# KiCad board scanhead_pcb.kicad_pcb (continued)
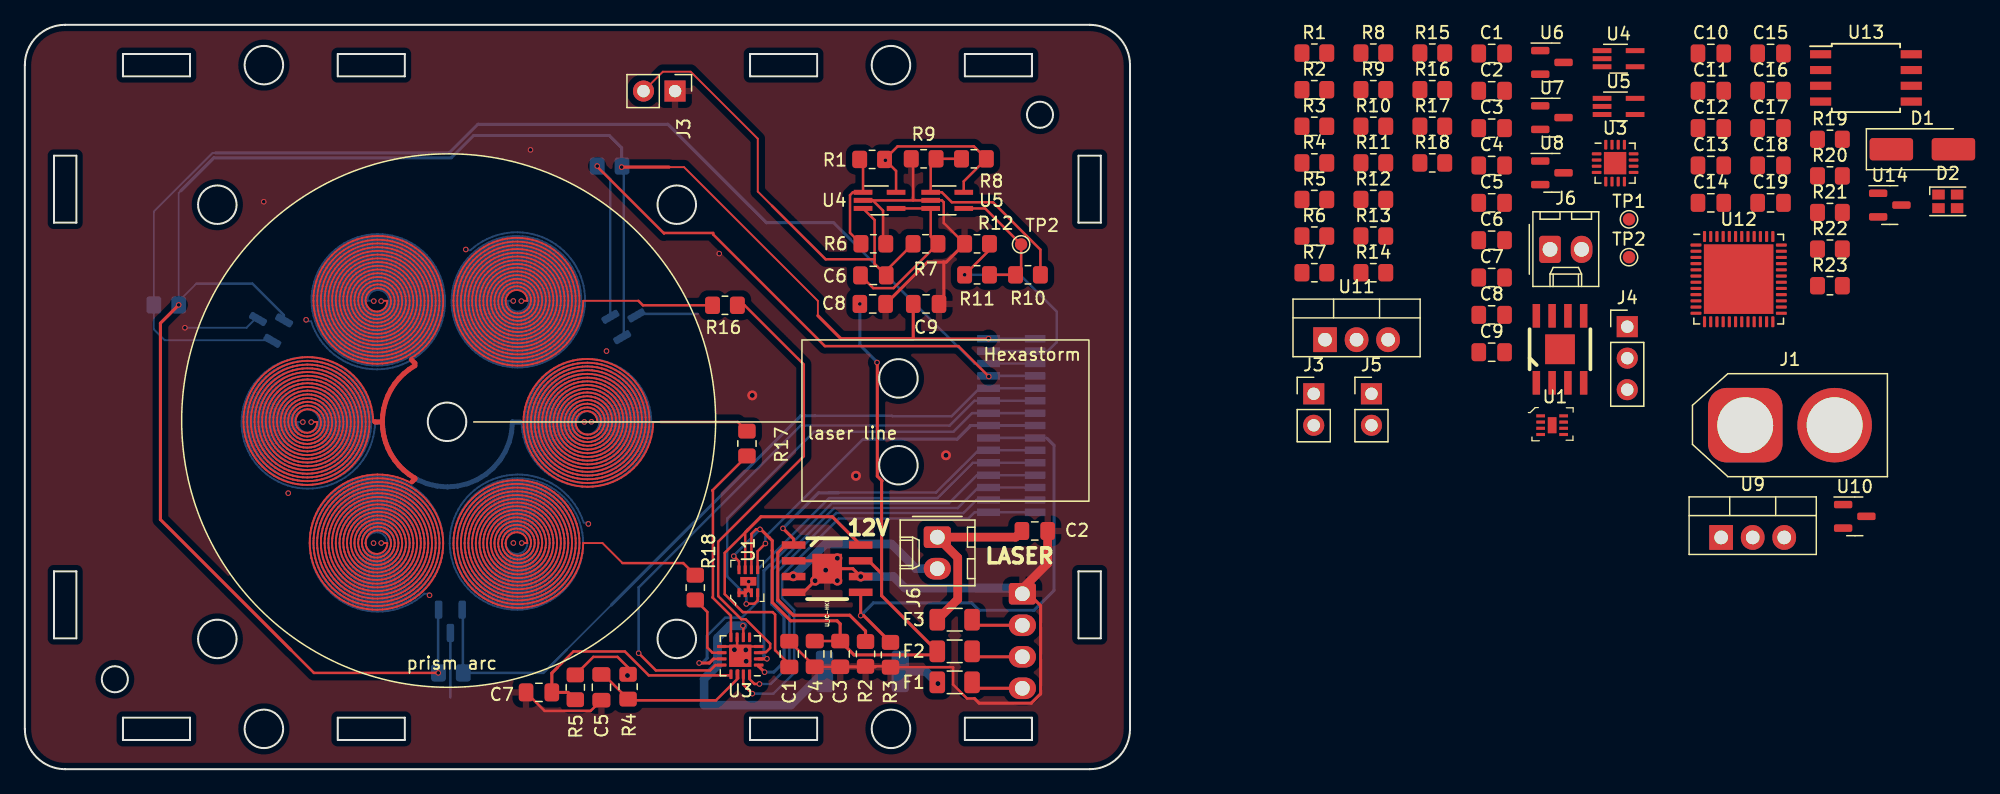
[diagram p0: board, top side]
## Routing (per net, layer and track width the routed paths; a pad name or vN(x,y) marks a point on that pad's centre or on a via; arc(x,y) is an arc through that point) (continued)
23.93,23.07 24.32,23.18 24.69,23.32 25.05,23.49 25.39,23.68 25.72,23.91 26.03,24.16 26.31,24.43 26.58,24.72 26.82,25.03 27.04,25.36 27.23,25.71 27.39,26.07 27.52,26.44 27.62,26.82 27.7,27.21 27.74,27.6 27.75,27.99 27.73,28.4 27.68,28.81 27.59,29.21 27.47,29.61 27.31,29.99 27.13,30.36 26.91,30.71 26.67,31.04 26.4,31.35 26.11,31.64 25.8,31.9 25.46,32.14 25.11,32.34 24.74,32.52 24.36,32.66 23.96,32.78 23.56,32.85 23.16,32.9 22.75,32.91 22.35,32.89 21.94,32.84 21.55,32.75 21.16,32.63 20.78,32.48 20.42,32.3 20.07,32.09 19.75,31.85 19.44,31.59 19.16,31.3 18.9,30.99 18.67,30.66 18.47,30.31 18.29,29.95 18.15,29.57 18.04,29.18 17.96,28.79 17.91,28.39 17.9,27.99 17.92,27.59 17.98,27.19 18.06,26.8 18.18,26.42 18.33,26.05 18.51,25.69 18.71,25.35 18.95,25.03 19.21,24.73 19.49,24.45 19.8,24.2 20.13,23.97 20.47,23.77 20.83,23.6 21.2,23.46 21.58,23.35 21.96,23.27 22.36,23.23 22.75,23.21 23.15,23.23 23.54,23.29 23.92,23.37 24.3,23.49 24.66,23.63 25.01,23.81 25.35,24.01 25.67,24.25 25.96,24.5 26.24,24.78 26.49,25.08 26.71,25.4 26.91,25.74 27.07,26.09 27.21,26.46 27.32,26.83 27.4,27.21 27.44,27.6 27.45,27.99 27.43,28.4 27.37,28.8 27.28,29.2 27.15,29.59 26.99,29.97 26.8,30.33 26.58,30.67 26.33,30.99 26.05,31.29 25.75,31.56 25.42,31.8 25.08,32.02 24.72,32.2 24.34,32.35 23.95,32.47 23.56,32.55 23.16,32.6 22.75,32.61 22.35,32.59 21.95,32.54 21.56,32.44 21.18,32.32 20.81,32.16 20.45,31.97 20.12,31.75 19.8,31.51 19.51,31.23 19.24,30.94 19,30.62 18.79,30.28 18.61,29.92 18.46,29.55 18.34,29.17 18.26,28.78 18.22,28.39 18.2,27.99 18.22,27.59 18.28,27.2 18.37,26.81 18.49,26.44 18.65,26.08 18.83,25.73 19.05,25.4 19.29,25.09 19.56,24.8 19.85,24.54 20.17,24.3 20.5,24.09 20.85,23.91 21.22,23.77 21.59,23.65 21.97,23.57 22.36,23.53 22.75,23.51 23.14,23.54 23.53,23.59 23.91,23.68 24.28,23.8 24.63,23.95 24.98,24.14 25.3,24.35 25.61,24.59 25.89,24.85 26.15,25.14 26.38,25.45 26.58,25.78 26.76,26.12 26.9,26.48 27.01,26.85 27.09,27.22 27.14,27.61 27.15,27.99 27.13,28.39 27.07,28.8 26.97,29.19 26.84,29.57 26.67,29.94 26.47,30.29 26.24,30.62 25.98,30.93 25.69,31.21 25.38,31.47 25.04,31.69 24.69,31.88 24.32,32.04 23.94,32.16 23.55,32.25 23.15,32.3 22.75,32.31 22.35,32.29 21.96,32.23 21.57,32.14 21.2,32.01 20.83,31.84 20.49,31.64 20.16,31.42 19.86,31.16 19.59,30.88 19.34,30.57 19.12,30.24 18.93,29.89 18.77,29.53 18.65,29.16 18.57,28.77 18.52,28.38 18.5,27.99 18.52,27.6 18.58,27.21 18.68,26.83 18.81,26.46 18.97,26.1 19.16,25.77 19.39,25.45 19.64,25.15 19.92,24.88 20.22,24.63 20.54,24.42 20.88,24.23 21.24,24.08 21.61,23.96 21.98,23.88 22.37,23.83 22.75,23.81 23.14,23.84 23.52,23.89 23.89,23.99 24.25,24.11 24.6,24.27 24.94,24.46 25.25,24.68 25.54,24.93 25.81,25.2 26.05,25.5 26.26,25.82 26.44,26.15 26.59,26.5 26.71,26.86 26.79,27.23 26.84,27.61 26.85,27.99 26.83,28.39 26.76,28.79 26.66,29.18 26.52,29.55 26.35,29.91 26.14,30.25 25.9,30.57 25.62,30.86 25.33,31.13 25,31.36 24.66,31.56 24.3,31.73 23.92,31.85 23.54,31.95 23.15,32 22.75,32.01 22.36,31.99 21.97,31.93 21.59,31.83 21.22,31.69 20.87,31.52 20.53,31.31 20.22,31.08 19.93,30.81 19.67,30.52 19.44,30.2 19.25,29.86 19.09,29.51 18.96,29.14 18.87,28.76 18.82,28.38 18.8,27.99 18.83,27.6 18.89,27.22 18.99,26.85 19.12,26.48 19.29,26.14 19.49,25.81 19.72,25.5 19.99,25.22 20.27,24.97 20.58,24.74 20.91,24.55 21.26,24.39 21.62,24.27 21.99,24.18 22.37,24.13 22.75,24.11 23.13,24.14 23.51,24.2 23.87,24.29 24.23,24.43 24.57,24.59 24.89,24.79 25.19,25.02 25.47,25.28 25.71,25.56 25.93,25.86 26.12,26.19 26.28,26.53 26.4,26.88 26.49,27.25 26.54,27.62 26.55,27.99 26.53,28.39 26.46,28.78 26.35,29.16 26.21,29.53 26.02,29.88 25.8,30.21 25.55,30.51 25.27,30.78 24.96,31.03 24.63,31.24 24.28,31.41 23.91,31.55 23.53,31.64 23.14,31.7 22.75,31.71 22.36,31.69 21.98,31.62 21.61,31.52 21.25,31.37 20.9,31.19 20.58,30.98 20.28,30.73 20.01,30.46 19.77,30.15 19.57,29.83 19.4,29.48 19.27,29.12 19.17,28.75 19.12,28.37 19.1,27.99 19.13,27.61 19.19,27.23 19.29,26.87 19.44,26.51 19.61,26.18 19.82,25.86 20.07,25.57 20.34,25.31 20.63,25.07 20.95,24.87 21.29,24.71 21.64,24.58 22.01,24.48 22.38,24.43 22.75,24.41 23.13,24.44 23.49,24.5 23.85,24.6 24.2,24.74 24.53,24.91 24.84,25.12 25.12,25.36 25.38,25.62 25.61,25.91 25.8,26.23 25.97,26.56 26.09,26.9 26.19,27.26 26.24,27.62 26.25,27.99 26.22,28.38 26.15,28.77 26.04,29.14 25.89,29.5 25.69,29.84 25.46,30.15 25.2,30.44 24.91,30.69 24.59,30.91 24.25,31.09 23.89,31.24 23.52,31.34 23.14,31.4 22.75,31.41 22.37,31.39 21.99,31.32 21.63,31.21 21.28,31.06 20.94,30.87 20.64,30.64 20.36,30.38 20.11,30.1 19.89,29.79 19.71,29.45 19.57,29.1 19.48,28.74 19.42,28.37 19.4,27.99 19.43,27.61 19.5,27.25 19.61,26.89 19.75,26.55 19.94,26.22 20.16,25.92 20.41,25.65 20.69,25.4 21,25.19 21.32,25.02 21.67,24.88 22.02,24.79 22.38,24.73 22.75,24.71 23.12,24.74 23.48,24.81 23.83,24.91 24.16,25.06 24.48,25.24 24.77,25.45 25.04,25.7 25.28,25.97 25.48,26.27 25.65,26.59 25.79,26.93 25.88,27.27 25.94,27.63 25.95,27.99 25.92,28.37 25.85,28.75 25.73,29.12 25.57,29.47 25.36,29.79 25.12,30.09 24.85,30.35 24.54,30.58 24.21,30.78 23.87,30.93 23.5,31.03 23.13,31.1 22.75,31.11 22.38,31.09 22.01,31.01 21.65,30.9 21.31,30.74 20.99,30.54 20.7,30.3 20.44,30.03 20.22,29.74 20.03,29.42 19.88,29.08 19.78,28.72 19.72,28.36 19.7,27.99 19.73,27.62 19.8,27.26 19.92,26.91 20.07,26.58 20.27,26.27 20.49,25.99 20.76,25.74 21.05,25.52 21.36,25.33 21.69,25.19 22.04,25.09 22.39,25.03 22.75,25.01 23.11,25.04 23.46,25.11 23.8,25.22 24.12,25.38 24.43,25.56 24.7,25.79 24.95,26.04 25.16,26.33 25.34,26.63 25.48,26.95 25.58,27.29 25.64,27.64 25.65,27.99 25.62,28.37 25.54,28.74 25.41,29.09 25.24,29.43 25.03,29.74 24.78,30.01 24.49,30.26 24.18,30.46 23.84,30.62 23.49,30.73 23.12,30.8 22.75,30.81 22.38,30.78 22.02,30.71 21.68,30.58 21.35,30.41 21.05,30.21 20.78,29.96 20.55,29.68 20.35,29.38 20.19,29.05 20.08,28.7 20.02,28.35 20,27.99 20.03,27.63 20.11,27.28 20.23,26.94 20.39,26.63 20.6,26.33 20.83,26.07 21.1,25.84 21.4,25.65 21.72,25.5 22.06,25.39 22.4,25.33 22.75,25.31 23.1,25.34 23.44,25.42 23.77,25.54 24.08,25.69 24.36,25.89 24.62,26.12 24.84,26.39 25.03,26.68 25.17,26.99 25.28,27.31 25.34,27.65 25.35,27.99 25.32,28.36 25.23,28.72 25.1,29.06 24.92,29.38 24.69,29.67 24.43,29.92 24.13,30.14 23.81,30.3 23.47,30.43 23.11,30.5 22.75,30.51 22.39,30.48 22.04,30.4 21.71,30.27 21.4,30.09 21.12,29.87 20.87,29.62 20.67,29.33 20.5,29.02 20.39,28.68 20.32,28.34 20.3,27.99 20.33,27.64 20.41,27.3 20.54,26.98 20.71,26.68 20.93,26.41 21.17,26.17 21.45,25.97 21.76,25.81 22.08,25.7 22.41,25.63 22.75,25.61 23.09,25.65 23.42,25.72 23.73,25.85 24.02,26.01 24.28,26.22 24.52,26.46 24.71,26.73 24.86,27.03 24.97,27.34 25.04,27.66 25.05,27.99 25.02,28.35 24.93,28.7 24.78,29.02 24.59,29.32 24.35,29.59 24.08,29.81 23.77,29.99 23.44,30.12 23.1,30.19 22.75,30.21 22.41,30.18 22.07,30.09 21.75,29.95 21.46,29.77 21.21,29.54 20.99,29.27 20.82,28.98 20.69,28.66 20.62,28.33 20.6,27.99 20.64,27.65 20.72,27.33 20.86,27.02 21.04,26.74 21.26,26.5 21.51,26.29 21.8,26.12 22.11,26 22.43,25.93 22.75,25.91 23.08,25.95 23.39,26.03 23.68,26.16 23.95,26.33 24.19,26.55 24.39,26.8 24.55,27.07 24.67,27.37 24.73,27.68 24.75,27.99 24.71,28.34 24.62,28.67 24.46,28.98 24.26,29.25 24.01,29.49 23.73,29.68 23.42,29.81 23.09,29.89 22.75,29.91 22.42,29.88 22.1,29.78 21.8,29.63 21.54,29.44 21.31,29.2 21.13,28.93 21,28.63 20.92,28.31 20.9,27.99 20.94,27.67 21.03,27.36 21.17,27.08 21.36,26.82 21.59,26.6 21.85,26.43 22.14,26.31 22.44,26.23 22.75,26.21 23.06,26.25 23.35,26.34 23.63,26.47 23.87,26.66 24.08,26.88 24.25,27.13 24.37,27.4 24.43,27.69 24.45,27.99 24.41,28.32 24.31,28.63 24.14,28.92 23.93,29.16 23.67,29.36 23.38,29.51 23.07,29.59 22.75,29.61 22.44,29.57 22.14,29.47 21.86,29.32 21.63,29.11 21.44,28.87 21.3,28.59 21.22,28.29 21.2,27.99 21.24,27.69 21.34,27.4 21.49,27.14 21.68,26.92 21.92,26.74 22.18,26.61 22.46,26.53 22.75,26.51 23.04,26.55 23.31,26.64 23.56,26.79 23.77,26.97 23.94,27.2 24.06,27.45 24.13,27.71 24.15,27.99 24.11,28.3 23.99,28.59 23.82,28.84 23.6,29.05 23.34,29.2 23.05,29.29 22.75,29.31 22.46,29.27 22.19,29.16 21.95,29 21.75,28.79 21.61,28.54 21.52,28.27 21.5,27.99 21.54,27.71 21.65,27.46 21.8,27.23 22,27.05 22.23,26.91 22.49,26.83 22.75,26.81 23.01,26.85 23.25,26.95 23.46,27.1 23.64,27.28 23.76,27.5 23.83,27.74 23.85,27.99 23.8,28.27 23.68,28.53 23.5,28.74 23.28,28.9 23.02,28.99 22.75,29.01 22.49,28.97 22.25,28.86 22.05,28.69 21.91,28.48 21.82,28.24 21.8,27.99 21.85,27.75 21.95,27.53 22.11,27.34 22.3,27.21 22.52,27.13 22.75,27.11 22.98,27.16 23.18,27.25 23.34,27.4 23.47,27.58 23.54,27.78 23.55,27.99 23.1,27.99 ; 51.19,27.99 50.6,27.99 50.58,27.57 50.53,27.16 50.44,26.75 50.33,26.36 50.18,25.97 50,25.59 49.8,25.23 49.57,24.89 49.31,24.57 49.02,24.27 48.72,23.99 48.39,23.74 48.05,23.51 47.68,23.31 47.31,23.14 46.92,23.01 46.52,22.9 46.12,22.82 45.71,22.78 45.3,22.76 44.89,22.78 44.49,22.84 44.08,22.92 43.69,23.03 43.31,23.18 42.94,23.35 42.59,23.56 42.25,23.79 41.93,24.04 41.63,24.32 41.36,24.62 41.11,24.94 40.89,25.28 40.69,25.64 40.53,26.01 40.39,26.39 40.28,26.78 40.21,27.18 40.16,27.58 40.15,27.99 40.17,28.39 40.22,28.79 40.31,29.19 40.42,29.58 40.56,29.95 40.73,30.32 40.93,30.67 41.16,31 41.41,31.31 41.69,31.6 41.98,31.87 42.3,32.12 42.64,32.34 42.99,32.53 43.35,32.7 43.73,32.83 44.11,32.94 44.51,33.01 44.9,33.05 45.3,33.06 45.7,33.04 46.09,32.99 46.48,32.91 46.87,32.8 47.24,32.66 47.6,32.49 47.94,32.29 48.27,32.07 48.58,31.82 48.86,31.55 49.13,31.26 49.37,30.95 49.59,30.62 49.78,30.27 49.94,29.91 50.07,29.54 50.17,29.16 50.25,28.77 50.29,28.38 50.3,27.99 50.28,27.58 50.23,27.17 50.14,26.76 50.02,26.37 49.86,25.99 49.68,25.62 49.46,25.27 49.22,24.94 48.95,24.63 48.66,24.34 48.35,24.08 48.01,23.84 47.66,23.64 47.29,23.46 46.91,23.32 46.51,23.2 46.11,23.12 45.71,23.08 45.3,23.06 44.9,23.09 44.49,23.14 44.1,23.23 43.71,23.35 43.33,23.5 42.97,23.68 42.62,23.89 42.3,24.13 41.99,24.39 41.71,24.68 41.45,24.99 41.22,25.32 41.02,25.67 40.84,26.03 40.7,26.41 40.59,26.8 40.51,27.19 40.46,27.59 40.45,27.99 40.47,28.39 40.53,28.79 40.61,29.18 40.73,29.56 40.88,29.93 41.06,30.29 41.26,30.63 41.5,30.95 41.76,31.25 42.04,31.53 42.35,31.78 42.68,32.01 43.02,32.21 43.38,32.38 43.75,32.52 44.13,32.63 44.51,32.71 44.91,32.75 45.3,32.76 45.7,32.74 46.09,32.69 46.47,32.61 46.85,32.49 47.21,32.34 47.56,32.17 47.9,31.96 48.22,31.73 48.51,31.48 48.79,31.2 49.04,30.9 49.26,30.58 49.46,30.24 49.62,29.89 49.76,29.52 49.87,29.15 49.95,28.76 49.99,28.38 50,27.99 49.98,27.58 49.92,27.17 49.83,26.78 49.7,26.39 49.54,26.01 49.35,25.65 49.13,25.31 48.88,24.99 48.6,24.69 48.3,24.42 47.97,24.18 47.63,23.96 47.27,23.78 46.89,23.63 46.5,23.51 46.11,23.43 45.71,23.38 45.3,23.36 44.9,23.39 44.5,23.44 44.11,23.53 43.73,23.66 43.36,23.82 43,24.01 42.67,24.22 42.35,24.47 42.06,24.75 41.79,25.04 41.55,25.36 41.34,25.7 41.16,26.06 41.01,26.43 40.89,26.81 40.81,27.2 40.77,27.59 40.75,27.99 40.77,28.39 40.83,28.78 40.92,29.16 41.04,29.54 41.2,29.9 41.38,30.25 41.6,30.58 41.84,30.89 42.11,31.18 42.4,31.44 42.72,31.68 43.05,31.89 43.4,32.06 43.77,32.21 44.14,32.32 44.52,32.4 44.91,32.45 45.3,32.46 45.69,32.44 46.08,32.39 46.46,32.3 46.83,32.18 47.18,32.03 47.53,31.84 47.85,31.63 48.16,31.39 48.44,31.13 48.7,30.84 48.93,30.53 49.13,30.2 49.31,29.86 49.45,29.5 49.56,29.13 49.64,28.75 49.69,28.37 49.7,27.99 49.68,27.58 49.62,27.18 49.52,26.79 49.39,26.41 49.22,26.04 49.02,25.69 48.79,25.36 48.53,25.05 48.24,24.77 47.93,24.51 47.59,24.29 47.24,24.1 46.87,23.94 46.49,23.82 46.1,23.73 45.7,23.68 45.3,23.66 44.9,23.69 44.51,23.75 44.12,23.84 43.75,23.97 43.38,24.14 43.04,24.33 42.71,24.56 42.41,24.82 42.14,25.1 41.89,25.41 41.67,25.74 41.48,26.09 41.32,26.45 41.2,26.82 41.12,27.21 41.07,27.6 41.05,27.99 41.07,28.38 41.13,28.77 41.23,29.15 41.36,29.52 41.52,29.87 41.71,30.21 41.94,30.53 42.19,30.83 42.47,31.1 42.77,31.35 43.09,31.56 43.43,31.75 43.79,31.9 44.16,32.02 44.53,32.1 44.92,32.15 45.3,32.16 45.69,32.14 46.07,32.08 46.44,31.99 46.8,31.87 47.15,31.71 47.49,31.52 47.8,31.3 48.09,31.05 48.36,30.78 48.6,30.48 48.81,30.16 48.99,29.83 49.14,29.48 49.26,29.11 49.34,28.74 49.39,28.37 49.4,27.99 49.38,27.59 49.31,27.19 49.21,26.8 49.07,26.43 48.9,26.07 48.69,25.73 48.45,25.41 48.17,25.12 47.88,24.85 47.55,24.62 47.21,24.42 46.85,24.25 46.47,24.12 46.09,24.03 45.7,23.98 45.3,23.96 44.91,23.99 44.52,24.05 44.14,24.15 43.77,24.29 43.42,24.46 43.08,24.67 42.77,24.9 42.48,25.17 42.22,25.46 41.99,25.78 41.8,26.12 41.64,26.47 41.51,26.84 41.42,27.22 41.37,27.6 41.35,27.99 41.38,28.38 41.44,28.76 41.54,29.13 41.67,29.49 41.84,29.84 42.04,30.17 42.27,30.47 42.54,30.76 42.82,31.01 43.13,31.23 43.46,31.43 43.81,31.59 44.17,31.71 44.54,31.8 44.92,31.85 45.3,31.86 45.68,31.84 46.06,31.78 46.42,31.68 46.78,31.55 47.12,31.39 47.44,31.19 47.74,30.96 48.02,30.7 48.26,30.42 48.48,30.12 48.67,29.79 48.83,29.45 48.95,29.1 49.04,28.73 49.09,28.36 49.1,27.99 49.08,27.59 49.01,27.2 48.9,26.82 48.76,26.45 48.57,26.1 48.35,25.77 48.1,25.47 47.82,25.2 47.51,24.95 47.18,24.74 46.83,24.57 46.46,24.43 46.08,24.34 45.69,24.28 45.3,24.26 44.91,24.29 44.53,24.36 44.16,24.46 43.8,24.6 43.45,24.79 43.13,25 42.83,25.25 42.56,25.52 42.32,25.83 42.12,26.15 41.95,26.5 41.82,26.86 41.72,27.23 41.67,27.61 41.65,27.99 41.68,28.37 41.74,28.75 41.84,29.11 41.99,29.47 42.16,29.8 42.37,30.12 42.62,30.41 42.89,30.67 43.18,30.91 43.5,31.11 43.84,31.27 44.19,31.4 44.56,31.5 44.93,31.55 45.3,31.56 45.68,31.54 46.04,31.48 46.4,31.38 46.75,31.24 47.08,31.06 47.39,30.86 47.67,30.62 47.93,30.35 48.16,30.06 48.35,29.75 48.52,29.42 48.64,29.08 48.74,28.72 48.79,28.36 48.8,27.99 48.77,27.6 48.7,27.21 48.59,26.84 48.44,26.48 48.24,26.14 48.01,25.83 47.75,25.54 47.46,25.29 47.14,25.07 46.8,24.88 46.44,24.74 46.07,24.64 45.69,24.58 45.3,24.56 44.92,24.59 44.54,24.66 44.18,24.77 43.83,24.92 43.49,25.11 43.19,25.34 42.91,25.59 42.66,25.88 42.44,26.19 42.26,26.53 42.12,26.88 42.03,27.24 41.97,27.61 41.95,27.99 41.98,28.36 42.05,28.73 42.16,29.09 42.3,29.43 42.49,29.76 42.71,30.06 42.96,30.33 43.24,30.57 43.55,30.79 43.87,30.96 44.22,31.1 44.57,31.19 44.93,31.25 45.3,31.26 45.67,31.24 46.03,31.17 46.38,31.07 46.71,30.92 47.03,30.74 47.32,30.52 47.59,30.28 47.83,30 48.03,29.71 48.2,29.39 48.34,29.05 48.43,28.7 48.49,28.35 48.5,27.99 48.47,27.6 48.4,27.23 48.28,26.86 48.12,26.51 47.91,26.19 47.67,25.89 47.4,25.62 47.09,25.39 46.76,25.2 46.42,25.05 46.05,24.94 45.68,24.88 45.3,24.86 44.93,24.89 44.56,24.97 44.2,25.08 43.86,25.24 43.54,25.44 43.25,25.68 42.99,25.94 42.77,26.24 42.58,26.56 42.43,26.9 42.33,27.26 42.27,27.62 42.25,27.99 42.28,28.36 42.35,28.72 42.47,29.06 42.62,29.4 42.82,29.71 43.04,29.99 43.31,30.24 43.6,30.46 43.91,30.64 44.24,30.79 44.59,30.89 44.94,30.95 45.3,30.96 45.66,30.94 46.01,30.87 46.35,30.75 46.67,30.6 46.98,30.41 47.25,30.19 47.5,29.94 47.71,29.65 47.89,29.35 48.03,29.02 48.13,28.69 48.19,28.34 48.2,27.99 48.17,27.61 48.09,27.24 47.96,26.89 47.79,26.55 47.58,26.24 47.33,25.97 47.04,25.72 46.73,25.52 46.39,25.36 46.04,25.25 45.67,25.18 45.3,25.16 44.93,25.19 44.57,25.27 44.23,25.4 43.9,25.56 43.6,25.77 43.33,26.02 43.1,26.3 42.9,26.6 42.74,26.93 42.63,27.27 42.57,27.63 42.55,27.99 42.58,28.35 42.66,28.7 42.78,29.03 42.94,29.35 43.15,29.64 43.38,29.91 43.65,30.14 43.95,30.33 44.27,30.48 44.61,30.59 44.95,30.65 45.3,30.66 45.65,30.64 45.99,30.56 46.32,30.44 46.63,30.28 46.91,30.09 47.17,29.85 47.39,29.59 47.58,29.3 47.72,28.99 47.83,28.67 47.89,28.33 47.9,27.99 47.87,27.62 47.78,27.26 47.65,26.92 47.47,26.6 47.24,26.31 46.98,26.06 46.68,25.84 46.36,25.67 46.02,25.55 45.66,25.48 45.3,25.46 44.94,25.5 44.59,25.58 44.26,25.71 43.95,25.89 43.67,26.11 43.42,26.36 43.22,26.65 43.05,26.96 42.94,27.3 42.87,27.64 42.85,27.99 42.88,28.34 42.96,28.68 43.09,29 43.26,29.3 43.48,29.57 43.72,29.81 44,30.01 44.31,30.17 44.63,30.28 44.96,30.35 45.3,30.36 45.64,30.33 45.97,30.26 46.28,30.13 46.57,29.96 46.83,29.76 47.07,29.52 47.26,29.25 47.41,28.95 47.52,28.64 47.59,28.32 47.6,27.99 47.57,27.63 47.48,27.28 47.33,26.96 47.14,26.66 46.9,26.39 46.63,26.16 46.32,25.99 45.99,25.86 45.65,25.78 45.3,25.76 44.96,25.8 44.62,25.89 44.3,26.03 44.01,26.21 43.76,26.44 43.54,26.71 43.37,27 43.24,27.32 43.17,27.65 43.15,27.99 43.19,28.32 43.27,28.65 43.41,28.96 43.59,29.24 43.81,29.48 44.06,29.69 44.35,29.86 44.66,29.98 44.98,30.05 45.3,30.06 45.63,30.03 45.94,29.95 46.23,29.82 46.5,29.64 46.74,29.43 46.94,29.18 47.1,28.91 47.22,28.61 47.28,28.3 47.3,27.99 47.26,27.64 47.17,27.31 47.01,27 46.81,26.73 46.56,26.49 46.28,26.3 45.97,26.16 45.64,26.09 45.3,26.06 44.97,26.1 44.65,26.2 44.35,26.34 44.09,26.54 43.86,26.78 43.68,27.05 43.55,27.35 43.47,27.67 43.45,27.99 43.49,28.31 43.58,28.62 43.72,28.9 43.91,29.16 44.14,29.37 44.4,29.55 44.69,29.67 44.99,29.75 45.3,29.76 45.61,29.73 45.9,29.64 46.18,29.5 46.42,29.32 46.63,29.1 46.8,28.85 46.92,28.58 46.98,28.29 47,27.99 46.96,27.66 46.86,27.35 46.69,27.06 46.48,26.81 46.22,26.61 45.93,26.47 45.62,26.39 45.3,26.36 44.99,26.4 44.69,26.51 44.41,26.66 44.18,26.87 43.99,27.11 43.85,27.39 43.77,27.69 43.75,27.99 43.79,28.29 43.89,28.58 44.04,28.83 44.23,29.06 44.47,29.24 44.73,29.37 45.01,29.45 45.3,29.46 45.59,29.43 45.86,29.33 46.11,29.19 46.32,29.01 46.49,28.78 46.61,28.53 46.68,28.26 46.7,27.99 46.66,27.68 46.54,27.39 46.37,27.14 46.15,26.93 45.89,26.78 45.6,26.69 45.3,26.66 45.01,26.71 44.74,26.81 44.5,26.98 44.3,27.19 44.16,27.44 44.07,27.71 44.05,27.99 44.09,28.27 44.2,28.52 44.35,28.75 44.55,28.93 44.78,29.07 45.04,29.15 45.3,29.16 45.56,29.12 45.8,29.03 46.01,28.88 46.19,28.7 46.31,28.48 46.38,28.24 46.4,27.99 46.35,27.71 46.23,27.45 46.05,27.24 45.83,27.08 45.57,26.99 45.3,26.96 45.04,27.01 44.8,27.12 44.6,27.29 44.46,27.5 44.37,27.74 44.35,27.99 44.4,28.23 44.5,28.45 44.66,28.63 44.85,28.77 45.07,28.85 45.3,28.86 45.53,28.82 45.73,28.73 45.89,28.58 46.02,28.4 46.09,28.2 46.1,27.99 45.65,27.99 ; 28.74,37.75 29.19,37.75 29.17,37.54 29.1,37.34 28.98,37.16 28.81,37.02 28.61,36.92 28.39,36.88 28.16,36.9 27.94,36.97 27.74,37.11 27.59,37.29 27.48,37.51 27.44,37.75 27.46,38 27.55,38.24 27.69,38.45 27.89,38.62 28.13,38.73 28.39,38.78 28.66,38.76 28.91,38.66 29.14,38.51 29.32,38.29 29.44,38.04 29.49,37.75 29.47,37.51 29.4,37.27 29.27,37.05 29.1,36.86 28.89,36.71 28.65,36.62 28.39,36.58 28.13,36.6 27.87,36.68 27.64,36.81 27.44,36.99 27.28,37.22 27.18,37.48 27.14,37.75 27.16,38.03 27.24,38.31 27.39,38.55 27.58,38.76 27.82,38.93 28.1,39.04 28.39,39.08 28.69,39.06 28.97,38.97 29.24,38.81 29.46,38.61 29.63,38.35 29.74,38.06 29.79,37.75 29.77,37.48 29.7,37.21 29.58,36.96 29.41,36.74 29.19,36.55 28.95,36.41 28.68,36.32 28.39,36.28 28.1,36.3 27.82,36.37 27.55,36.5 27.32,36.68 27.12,36.91 26.97,37.17 26.88,37.45 26.84,37.75 26.86,38.06 26.94,38.35 27.08,38.63 27.27,38.88 27.5,39.08 27.77,39.24 28.07,39.34 28.39,39.38 28.71,39.36 29.02,39.27 29.31,39.13 29.57,38.93 29.78,38.68 29.94,38.4 30.05,38.08 30.09,37.75 30.07,37.46 30,37.17 29.88,36.89 29.72,36.64 29.51,36.42 29.26,36.24 28.99,36.1 28.7,36.01 28.39,35.98 28.08,36 27.78,36.07 27.49,36.19 27.23,36.37 27,36.59 26.81,36.84 26.67,37.13 26.58,37.43 26.54,37.75 26.56,38.08 26.64,38.39 26.77,38.69 26.95,38.96 27.17,39.2 27.44,39.4 27.74,39.55 28.06,39.64 28.39,39.68 28.73,39.66 29.05,39.58 29.36,39.44 29.65,39.25 29.9,39.02 30.1,38.74 30.25,38.43 30.35,38.1 30.39,37.75 30.37,37.44 30.31,37.13 30.19,36.84 30.03,36.56 29.83,36.31 29.59,36.1 29.32,35.92 29.03,35.79 28.71,35.71 28.39,35.68 28.06,35.7 27.74,35.77 27.44,35.88 27.15,36.05 26.9,36.26 26.67,36.51 26.49,36.79 26.36,37.09 26.27,37.42 26.24,37.75 26.26,38.09 26.33,38.42 26.45,38.74 26.63,39.04 26.84,39.3 27.1,39.53 27.39,39.72 27.71,39.86 28.04,39.94 28.39,39.98 28.74,39.96 29.08,39.88 29.41,39.76 29.71,39.58 29.99,39.35 30.23,39.09 30.42,38.79 30.56,38.46 30.65,38.11 30.69,37.75 30.67,37.43 30.61,37.1 30.5,36.79 30.35,36.5 30.15,36.23 29.92,35.98 29.66,35.78 29.37,35.61 29.05,35.49 28.73,35.41 28.39,35.38 28.05,35.4 27.72,35.46 27.39,35.57 27.09,35.73 26.81,35.93 26.56,36.17 26.35,36.44 26.18,36.74 26.05,37.07 25.97,37.41 25.94,37.75 25.96,38.1 26.03,38.45 26.14,38.78 26.31,39.09 26.51,39.38 26.76,39.64 27.04,39.85 27.35,40.03 27.68,40.16 28.03,40.25 28.39,40.28 28.75,40.26 29.1,40.19 29.45,40.07 29.77,39.9 30.07,39.69 30.33,39.43 30.55,39.14 30.74,38.83 30.87,38.48 30.96,38.12 30.99,37.75 30.97,37.41 30.91,37.08 30.81,36.75 30.66,36.44 30.48,36.15 30.25,35.89 30,35.66 29.71,35.46 29.41,35.3 29.08,35.18 28.74,35.11 28.39,35.08 28.04,35.1 27.69,35.16 27.36,35.27 27.04,35.42 26.74,35.61 26.47,35.84 26.23,36.1 26.03,36.39 25.87,36.71 25.75,37.05 25.67,37.4 25.64,37.75 25.66,38.11 25.72,38.47 25.83,38.81 25.99,39.14 26.18,39.45 26.42,39.72 26.69,39.97 26.99,40.18 27.32,40.35 27.66,40.47 28.02,40.55 28.39,40.58 28.76,40.56 29.12,40.49 29.48,40.38 29.81,40.22 30.13,40.02 30.41,39.78 30.67,39.5 30.88,39.19 31.05,38.86 31.18,38.5 31.26,38.13 31.29,37.75 31.27,37.4 31.22,37.06 31.12,36.72 30.98,36.4 30.8,36.09 30.59,35.81 30.34,35.55 30.06,35.33 29.76,35.14 29.44,34.99 29.1,34.88 28.75,34.81 28.39,34.78 28.03,34.79 27.67,34.85 27.33,34.96 27,35.1 26.68,35.28 26.39,35.5 26.13,35.75 25.9,36.04 25.71,36.35 25.55,36.68 25.44,37.03 25.37,37.39 25.34,37.75 25.36,38.12 25.42,38.49 25.52,38.84 25.67,39.18 25.86,39.5 26.08,39.8 26.34,40.07 26.63,40.3 26.95,40.5 27.29,40.66 27.64,40.78 28.01,40.85 28.39,40.88 28.77,40.86 29.14,40.8 29.5,40.69 29.85,40.54 30.18,40.35 30.48,40.12 30.76,39.85 31,39.56 31.2,39.23 31.37,38.88 31.49,38.52 31.56,38.14 31.59,37.75 31.57,37.39 31.52,37.04 31.43,36.69 31.29,36.36 31.12,36.04 30.92,35.74 30.68,35.46 30.41,35.22 30.12,35 29.8,34.82 29.47,34.68 29.12,34.57 28.76,34.5 28.39,34.48 28.02,34.49 27.66,34.55 27.3,34.65 26.96,34.78 26.63,34.96 26.33,35.17 26.05,35.41 25.8,35.69 25.58,35.99 25.39,36.31 25.24,36.65 25.13,37.01 25.07,37.38 25.04,37.75 25.06,38.13 25.11,38.5 25.21,38.87 25.35,39.22 25.53,39.55 25.75,39.86 25.99,40.15 26.27,40.41 26.58,40.63 26.91,40.82 27.26,40.97 27.63,41.08 28.01,41.15 28.39,41.18 28.77,41.16 29.15,41.1 29.53,41 29.88,40.86 30.23,40.68 30.54,40.46 30.84,40.2 31.1,39.92 31.33,39.6 31.52,39.26 31.68,38.9 31.79,38.53 31.86,38.15 31.89,37.75 31.88,37.39 31.82,37.02 31.73,36.67 31.61,36.32 31.44,35.99 31.25,35.68 31.02,35.39 30.76,35.12 30.47,34.89 30.16,34.68 29.84,34.51 29.49,34.37 29.13,34.27 28.76,34.2 28.39,34.18 28.02,34.19 27.64,34.25 27.28,34.34 26.93,34.47 26.59,34.64 26.27,34.84 25.97,35.07 25.7,35.33 25.46,35.63 25.25,35.94 25.07,36.28 24.93,36.63 24.83,37 24.76,37.37 24.74,37.75 24.75,38.14 24.81,38.51 24.9,38.89 25.04,39.25 25.21,39.59 25.41,39.92 25.65,40.22 25.92,40.5 26.22,40.74 26.54,40.96 26.88,41.14 27.24,41.28 27.62,41.39 28,41.45 28.39,41.48 28.78,41.46 29.17,41.41 29.55,41.31 29.91,41.17 30.26,41 30.6,40.79 30.91,40.55 31.19,40.27 31.44,39.97 31.66,39.64 31.84,39.29 31.99,38.92 32.1,38.54 32.16,38.15 32.19,37.75 32.18,37.38 32.13,37.01 32.04,36.65 31.92,36.29 31.76,35.95 31.57,35.63 31.35,35.32 31.1,35.04 30.83,34.78 30.53,34.56 30.21,34.36 29.87,34.19 29.51,34.06 29.14,33.96 28.77,33.9 28.39,33.88 28.01,33.89 27.63,33.94 27.26,34.03 26.9,34.16 26.55,34.32 26.22,34.51 25.91,34.73 25.62,34.99 25.36,35.27 25.13,35.57 24.93,35.9 24.76,36.25 24.62,36.61 24.52,36.98 24.46,37.37 24.44,37.75 24.45,38.14 24.51,38.53 24.6,38.9 24.72,39.27 24.89,39.63 25.08,39.96 25.31,40.28 25.57,40.57 25.86,40.84 26.17,41.08 26.5,41.28 26.86,41.46 27.23,41.59 27.61,41.69 28,41.75 28.39,41.78 28.78,41.76 29.18,41.71 29.56,41.62 29.94,41.49 30.3,41.32 30.64,41.12 30.96,40.89 31.26,40.63 31.53,40.33 31.78,40.02 31.98,39.68 32.16,39.32 32.3,38.94 32.4,38.55 32.47,38.16 32.49,37.75 32.48,37.38 32.43,37 32.35,36.63 32.23,36.27 32.08,35.92 31.9,35.58 31.69,35.26 31.45,34.97 31.18,34.69 30.89,34.45 30.57,34.23 30.24,34.04 29.89,33.88 29.53,33.75 29.16,33.66 28.77,33.6 28.39,33.58 28,33.59 27.62,33.64 27.24,33.73 26.87,33.84 26.52,34 26.18,34.18 25.85,34.4 25.55,34.64 25.27,34.91 25.02,35.21 24.8,35.53 24.6,35.87 24.44,36.22 24.31,36.59 24.22,36.97 24.16,37.36 24.14,37.75 24.15,38.15 24.2,38.54 24.29,38.92 24.41,39.3 24.57,39.66 24.75,40.01 24.97,40.33 25.22,40.64 25.5,40.92 25.8,41.18 26.13,41.41 26.47,41.61 26.83,41.77 27.21,41.9 27.6,42 27.99,42.06 28.39,42.08 28.79,42.06 29.19,42.01 29.58,41.93 29.96,41.8 30.33,41.65 30.68,41.45 31.01,41.23 31.33,40.98 31.62,40.69 31.88,40.39 32.11,40.06 32.31,39.71 32.48,39.34 32.61,38.95 32.71,38.56 32.77,38.16 32.79,37.75 32.78,37.37 32.73,36.99 32.65,36.61 32.54,36.24 32.4,35.89 32.22,35.54 32.02,35.21 31.79,34.9 31.53,34.62 31.24,34.35 30.94,34.11 30.61,33.9 30.27,33.72 29.91,33.56 29.54,33.44 29.17,33.35 28.78,33.3 28.39,33.28 28,33.29 27.61,33.34 27.23,33.42 26.85,33.53 26.49,33.68 26.14,33.86 25.81,34.06 25.49,34.3 25.2,34.56 24.93,34.85 24.69,35.16 24.47,35.49 24.28,35.84 24.13,36.2 24.01,36.58 23.92,36.97 23.86,37.36 23.84,37.75 23.85,38.15 23.9,38.55 23.98,38.93 24.1,39.32 24.25,39.69 24.43,40.04 24.64,40.38 24.88,40.7 25.15,41 25.44,41.27 25.75,41.52 26.09,41.74 26.44,41.93 26.81,42.08 27.2,42.21 27.59,42.3 27.99,42.36 28.39,42.38 28.79,42.37 29.19,42.32 29.59,42.23 29.98,42.12 30.35,41.96 30.71,41.78 31.06,41.57 31.38,41.32 31.69,41.05 31.96,40.75 32.22,40.43 32.44,40.09 32.63,39.73 32.79,39.36 32.92,38.97 33.01,38.57 33.07,38.16 33.09,37.75 33.08,37.37 33.03,36.98 32.96,36.6 32.85,36.22 32.71,35.86 32.54,35.51 32.35,35.17 32.12,34.85 31.87,34.55 31.6,34.27 31.3,34.01 30.99,33.78 30.65,33.58 30.3,33.4 29.93,33.25 29.56,33.14 29.17,33.05 28.78,33 28.39,32.98 27.99,32.99 27.6,33.04 27.21,33.11 26.83,33.22 26.46,33.36 26.11,33.53 25.76,33.73 25.44,33.96 25.13,34.21 24.85,34.49 24.59,34.79 24.35,35.12 24.14,35.46 23.97,35.81 23.82,36.18 23.7,36.57 23.61,36.96 23.56,37.35 23.54,37.75 23.55,38.15 23.6,38.55 23.68,38.95 23.79,39.33 23.93,39.71 24.1,40.07 24.31,40.42 24.54,40.75 24.8,41.06 25.08,41.35 25.38,41.62 25.71,41.85 26.06,42.06 26.42,42.25 26.8,42.4 27.18,42.52 27.58,42.6 27.98,42.66 28.39,42.68 28.8,42.67 29.2,42.62 29.6,42.54 29.99,42.43 30.38,42.28 30.74,42.11 31.1,41.9 31.43,41.67 31.75,41.4 32.04,41.12 32.31,40.81 32.55,40.47 32.77,40.12 32.95,39.75 33.1,39.37 33.23,38.98 33.31,38.58 33.37,38.17 33.39,37.75 33.38,37.36 33.34,36.97 33.26,36.58 33.16,36.2 33.03,35.83 32.86,35.47 32.68,35.13 32.46,34.8 32.22,34.48 31.95,34.19 31.66,33.92 31.35,33.67 31.03,33.45 30.68,33.25 30.32,33.08 29.95,32.94 29.57,32.83 29.18,32.75 28.79,32.7 28.39,32.68 27.99,32.69 27.59,32.73 27.2,32.81 26.82,32.91 26.44,33.05 26.08,33.21 25.72,33.4 25.39,33.62 25.07,33.87 24.77,34.14 24.5,34.43 24.25,34.74 24.02,35.08 23.82,35.43 23.65,35.79 23.51,36.17 23.39,36.55 23.31,36.95 23.26,37.35 23.24,37.75 23.25,38.16 23.3,38.56 23.37,38.96 23.48,39.35 23.61,39.73 23.78,40.1 23.98,40.46 24.2,40.8 24.45,41.12 24.72,41.42 25.02,41.7 25.34,41.96 25.67,42.19 26.03,42.39 26.4,42.56 26.78,42.71 27.17,42.82 27.57,42.91 27.98,42.96 28.39,42.98 28.8,42.97 29.21,42.92 29.61,42.85 30.01,42.74 30.4,42.6 30.77,42.43 31.13,42.23 31.48,42.01 31.8,41.75 32.11,41.47 32.39,41.17 32.65,40.85 32.89,40.51 33.09,40.15 33.27,39.77 33.42,39.39 33.53,38.99 33.62,38.58 33.67,38.17 33.69,37.75 33.68,37.36 33.64,36.96 33.57,36.57 33.47,36.19 33.34,35.81 33.18,35.44 33,35.09 32.79,34.75 32.56,34.43 32.3,34.12 32.02,33.84 31.72,33.58 31.4,33.34 31.06,33.12 ; 40.01,18.22 40.46,18.22 40.45,18.44 40.38,18.64 40.26,18.82 40.09,18.96 39.89,19.06 39.66,19.1 39.43,19.08 39.21,19 39.02,18.87 38.86,18.69 38.76,18.47 38.71,18.22 38.73,17.98 38.82,17.74 38.97,17.53 39.16,17.36 39.4,17.25 39.66,17.2 39.93,17.22 40.19,17.32 40.42,17.47 40.6,17.69 40.71,17.94 40.76,18.22 40.75,18.47 40.67,18.71 40.55,18.93 40.38,19.12 40.16,19.26 39.92,19.36 39.66,19.4 39.4,19.38 39.15,19.3 38.91,19.17 38.71,18.98 38.56,18.76 38.46,18.5 38.41,18.22 38.44,17.94 38.52,17.67 38.66,17.43 38.86,17.21 39.1,17.05 39.37,16.94 39.66,16.9 39.96,16.92 40.25,17.01 40.51,17.16 40.73,17.37 40.91,17.63 41.02,17.92 41.06,18.22 41.05,18.5 40.98,18.77 40.85,19.02 40.68,19.24 40.47,19.43 40.22,19.57 39.95,19.66 39.66,19.7 39.37,19.68 39.09,19.6 38.83,19.47 38.59,19.29 38.4,19.07 38.25,18.81 38.15,18.53 38.11,18.22 38.14,17.92 38.22,17.62 38.35,17.35 38.54,17.1 38.78,16.9 39.05,16.74 39.35,16.64 39.66,16.6 39.98,16.62 40.29,16.71 40.58,16.85 40.84,17.05 41.05,17.3 41.22,17.58 41.32,17.9 41.36,18.22 41.35,18.52 41.28,18.81 41.16,19.09 40.99,19.34 40.78,19.56 40.54,19.74 40.27,19.88 39.97,19.96 39.66,20 39.35,19.98 39.05,19.91 38.76,19.78 38.5,19.61 38.27,19.39 38.08,19.14 37.94,18.85 37.85,18.54 37.81,18.22 37.83,17.9 37.91,17.59 38.04,17.29 38.22,17.01 38.45,16.78 38.71,16.58 39.01,16.43 39.33,16.34 39.66,16.3 40,16.32 40.33,16.4 40.64,16.54 40.92,16.72 41.17,16.96 41.37,17.24 41.53,17.55 41.63,17.88 41.66,18.22 41.65,18.54 41.58,18.85 41.47,19.14 41.31,19.42 41.11,19.67 40.87,19.88 40.6,20.05 40.3,20.18 39.99,20.27 39.66,20.3 39.34,20.28 39.02,20.21 38.71,20.09 38.43,19.93 38.17,19.72 37.95,19.47 37.77,19.19 37.63,18.88 37.55,18.56 37.51,18.22 37.53,17.89 37.61,17.56 37.73,17.24 37.9,16.94 38.12,16.68 38.37,16.45 38.66,16.26 38.98,16.12 39.32,16.03 39.66,16 40.01,16.02 40.36,16.09 40.68,16.22 40.99,16.4 41.26,16.63 41.5,16.89 41.69,17.19 41.84,17.52 41.93,17.87 41.96,18.22 41.95,18.55 41.88,18.88 41.78,19.19 41.62,19.48 41.43,19.75 41.2,19.99 40.93,20.2 40.64,20.37 40.33,20.49 40,20.57 39.66,20.6 39.33,20.58 38.99,20.52 38.67,20.4 38.37,20.25 38.09,20.05 37.84,19.81 37.63,19.53 37.45,19.23 37.33,18.91 37.25,18.57 37.21,18.22 37.23,17.88 37.3,17.53 37.42,17.2 37.58,16.89 37.79,16.6 38.03,16.34 38.31,16.12 38.62,15.95 38.96,15.82 39.31,15.73 39.66,15.7 40.02,15.72 40.38,15.79 40.72,15.91 41.04,16.08 41.34,16.29 41.6,16.54 41.83,16.83 42.01,17.15 42.15,17.5 42.23,17.86 42.26,18.22 42.25,18.57 42.19,18.9 42.08,19.23 41.94,19.54 41.75,19.83 41.53,20.09 41.27,20.32 40.99,20.52 40.68,20.68 40.35,20.8 40.01,20.87 39.66,20.9 39.31,20.88 38.97,20.82 38.63,20.71 38.31,20.56 38.02,20.37 37.75,20.14 37.51,19.88 37.3,19.59 37.14,19.27 37.02,18.93 36.94,18.58 36.91,18.22 36.93,17.87 37,17.51 37.11,17.17 37.26,16.84 37.46,16.53 37.69,16.25 37.96,16.01 38.26,15.8 38.59,15.63 38.94,15.51 39.3,15.43 39.66,15.4 40.03,15.42 40.4,15.48 40.75,15.6 41.09,15.76 41.4,15.96 41.69,16.2 41.94,16.48 42.15,16.79 42.33,17.12 42.45,17.48 42.53,17.85 42.56,18.22 42.55,18.58 42.49,18.92 42.39,19.26 42.25,19.58 42.07,19.89 41.86,20.17 41.61,20.43 41.34,20.65 41.04,20.84 40.71,20.99 40.37,21.1 40.02,21.17 39.66,21.2 39.31,21.18 38.95,21.12 38.6,21.02 38.27,20.88 37.96,20.7 37.67,20.48 37.41,20.22 37.18,19.94 36.98,19.63 36.83,19.3 36.71,18.95 36.64,18.59 36.61,18.22 36.63,17.86 36.69,17.49 36.8,17.14 36.94,16.8 37.13,16.48 37.36,16.18 37.62,15.91 37.91,15.68 38.22,15.48 38.56,15.32 38.92,15.2 39.29,15.13 39.66,15.1 40.04,15.12 40.42,15.18 40.78,15.29 41.13,15.44 41.46,15.63 41.76,15.86 42.03,16.13 42.27,16.42 42.48,16.75 42.64,17.1 42.76,17.46 42.84,17.84 42.86,18.22 42.85,18.58 42.79,18.94 42.7,19.29 42.57,19.62 42.4,19.94 42.19,20.24 41.95,20.51 41.69,20.76 41.39,20.98 41.08,21.16 40.74,21.3 40.39,21.41 40.03,21.47 39.66,21.5 39.3,21.48 38.93,21.43 38.58,21.33 38.23,21.19 37.91,21.02 37.6,20.81 37.32,20.57 37.07,20.29 36.85,19.99 36.67,19.67 36.52,19.33 36.41,18.97 36.34,18.6 36.31,18.22 36.33,17.85 36.39,17.48 36.49,17.11 36.63,16.76 36.81,16.43 37.02,16.12 37.27,15.83 37.55,15.57 37.86,15.35 38.19,15.16 38.54,15.01 38.9,14.9 39.28,14.83 39.66,14.8 40.05,14.82 40.43,14.88 40.8,14.98 41.16,15.12 41.5,15.3 41.82,15.52 42.11,15.78 42.38,16.06 42.61,16.38 42.8,16.72 42.95,17.07 43.07,17.45 43.14,17.83 43.16,18.22 43.15,18.59 43.1,18.95 43.01,19.31 42.88,19.66 42.72,19.99 42.52,20.3 42.29,20.59 42.03,20.86 41.75,21.09 41.44,21.3 41.11,21.47 40.76,21.61 40.41,21.71 40.04,21.78 39.66,21.8 39.29,21.79 38.92,21.73 38.56,21.64 38.2,21.51 37.86,21.34 37.55,21.14 37.25,20.91 36.98,20.64 36.74,20.35 36.53,20.04 36.35,19.7 36.21,19.35 36.1,18.98 36.04,18.61 36.01,18.22 36.03,17.84 36.08,17.46 36.18,17.09 36.31,16.73 36.48,16.39 36.69,16.06 36.93,15.76 37.2,15.48 37.49,15.24 37.81,15.02 38.16,14.84 38.52,14.7 38.89,14.59 39.28,14.53 39.66,14.5 40.05,14.52 40.44,14.57 40.82,14.67 41.19,14.8 41.54,14.98 41.87,15.19 42.18,15.43 42.46,15.71 42.71,16.01 42.93,16.34 43.12,16.69 43.26,17.06 43.37,17.44 43.44,17.83 43.46,18.22 43.45,18.6 43.4,18.97 43.31,19.33 43.19,19.69 43.04,20.03 42.85,20.35 42.63,20.66 42.38,20.94 42.1,21.19 41.8,21.42 41.48,21.62 41.14,21.79 40.79,21.92 40.42,22.02 40.04,22.08 39.66,22.1 39.28,22.09 38.91,22.03 38.54,21.95 38.17,21.82 37.83,21.66 37.5,21.47 37.19,21.25 36.9,20.99 36.64,20.71 36.4,20.4 36.2,20.08 36.03,19.73 35.9,19.37 35.8,18.99 35.74,18.61 35.71,18.22 35.73,17.84 35.78,17.45 35.87,17.07 36,16.71 36.16,16.35 36.36,16.01 36.59,15.7 36.84,15.41 37.13,15.14 37.44,14.9 37.78,14.7 38.13,14.52 38.5,14.39 38.88,14.29 39.27,14.22 39.66,14.2 40.06,14.21 40.45,14.27 40.84,14.36 41.21,14.49 41.57,14.65 41.92,14.85 42.24,15.09 42.54,15.35 42.81,15.64 43.05,15.96 43.26,16.3 43.44,16.66 43.57,17.04 43.68,17.43 43.74,17.82 43.76,18.22 43.75,18.6 43.7,18.98 43.62,19.35 43.5,19.71 43.35,20.06 43.17,20.4 42.96,20.71 42.72,21.01 42.45,21.28 42.16,21.53 41.85,21.75 41.52,21.94 41.17,22.1 40.8,22.23 40.43,22.32 40.05,22.38 39.66,22.4 39.28,22.39 38.9,22.34 38.52,22.25 38.15,22.13 37.79,21.98 37.45,21.8 37.13,21.58 36.83,21.34 36.55,21.06 36.3,20.77 36.07,20.45 35.88,20.11 35.72,19.75 35.59,19.38 35.5,19 35.44,18.62 35.41,18.22 35.43,17.83 35.48,17.44 35.56,17.06 35.69,16.68 35.84,16.32 36.03,15.97 36.25,15.65 36.5,15.34 36.77,15.05 37.08,14.8 37.4,14.57 37.75,14.37 38.11,14.21 38.48,14.08 38.87,13.98 39.27,13.92 39.66,13.9 40.06,13.91 40.46,13.96 40.85,14.05 41.23,14.18 41.6,14.33 41.96,14.53 42.29,14.75 42.6,15 42.89,15.28 43.15,15.59 43.38,15.92 43.58,16.27 43.75,16.64 43.88,17.02 43.98,17.42 44.04,17.82 44.06,18.22 44.05,18.61 44.01,18.99 43.93,19.37 43.81,19.74 43.67,20.09 43.5,20.44 43.29,20.77 43.06,21.07 42.8,21.36 42.52,21.63 42.21,21.87 41.89,22.08 41.55,22.26 41.19,22.41 40.82,22.54 40.44,22.62 40.05,22.68 39.66,22.7 39.27,22.69 38.89,22.64 38.5,22.56 38.13,22.45 37.76,22.3 37.41,22.12 37.08,21.91 36.77,21.68 36.47,21.42 36.2,21.13 35.96,20.82 35.75,20.49 35.56,20.14 35.4,19.78 35.28,19.4 35.19,19.01 35.14,18.62 35.11,18.22 35.13,17.83 35.18,17.43 35.26,17.04 35.37,16.66 35.52,16.29 35.7,15.94 35.91,15.6 36.15,15.28 36.42,14.98 36.71,14.71 37.03,14.46 37.36,14.24 37.72,14.05 38.09,13.89 38.47,13.77 38.86,13.68 39.26,13.62 39.66,13.6 40.07,13.61 40.47,13.66 40.86,13.75 41.25,13.86 41.63,14.01 41.99,14.2 42.33,14.41 42.66,14.66 42.96,14.93 43.24,15.23 43.49,15.55 43.71,15.89 43.91,16.25 44.07,16.62 44.19,17.01 44.28,17.41 44.34,17.82 44.36,18.22 44.35,18.61 44.31,19 44.23,19.38 44.12,19.76 43.99,20.12 43.82,20.47 43.62,20.81 43.4,21.13 43.15,21.43 42.87,21.71 42.58,21.97 42.26,22.2 41.93,22.4 41.57,22.58 41.21,22.73 40.83,22.84 40.45,22.93 40.06,22.98 39.66,23 39.27,22.99 38.88,22.94 38.49,22.87 38.11,22.76 37.74,22.62 37.38,22.45 37.04,22.25 36.71,22.02 36.41,21.76 36.12,21.49 35.86,21.18 35.63,20.86 35.42,20.52 35.24,20.17 35.09,19.79 34.97,19.41 34.89,19.02 34.83,18.63 34.81,18.22 34.83,17.82 34.87,17.43 34.95,17.03 35.06,16.64 35.2,16.27 35.38,15.91 35.58,15.56 35.81,15.23 36.07,14.92 36.35,14.63 36.66,14.36 36.99,14.12 37.33,13.91 37.69,13.73 38.07,13.58 38.46,13.46 38.86,13.37 39.26,13.32 39.66,13.3 40.07,13.31 40.48,13.36 40.88,13.44 41.27,13.55 41.65,13.7 42.02,13.87 42.37,14.08 42.71,14.31 43.02,14.58 43.32,14.86 43.59,15.17 43.83,15.51 44.04,15.86 44.23,16.22 44.38,16.61 44.5,17 44.59,17.4 44.64,17.81 44.66,18.22 44.65,18.62 44.61,19.01 44.54,19.39 44.43,19.77 44.3,20.15 44.14,20.51 43.95,20.85 43.73,21.18 43.49,21.49 43.23,21.79 42.94,22.06 42.63,22.31 42.3,22.53 41.96,22.73 41.6,22.9 41.23,23.04 40.85,23.15 40.46,23.23 40.06,23.28 39.66,23.3 39.27,23.29 38.87,23.24 38.48,23.17 38.09,23.07 37.72,22.93 37.35,22.77 37,22.57 36.66,22.35 36.35,22.11 36.05,21.84 35.77,21.55 35.52,21.23 35.3,20.9 35.1,20.55 34.92,20.19 34.78,19.81 34.67,19.42 34.59,19.03 34.53,18.63 34.51,18.22 34.53,17.82 34.57,17.42 34.65,17.02 34.75,16.63 34.89,16.25 35.06,15.88 35.25,15.52 35.47,15.18 35.72,14.86 36,14.56 36.29,14.28 36.61,14.02 36.95,13.79 37.3,13.59 37.67,13.41 38.05,13.27 38.45,13.16 38.85,13.07 39.25,13.02 39.66,13 40.07,13.01 40.48,13.06 40.89,13.13 41.28,13.24 41.67,13.38 42.05,13.55 42.41,13.75 42.75,13.97 43.08,14.23 43.39,14.5 43.67,14.8 43.93,15.13 44.16,15.47 44.37,15.83 44.54,16.2 44.69,16.59 44.81,16.99 44.89,17.4 44.94,17.81 44.96,18.22 46.52,18.22 48.13,16.61